# Altium PCB GEM_AFE_128.PcbDoc (part 5 of 18)
Units mm, origin at the board's own origin, x right, y up, seen from the top; angles counter-clockwise.
Board outline 112 x 81.5 mm, 8 copper layers (Top Layer, L1, L2, L3, L4, L5, L6, Bottom Layer), stack 1.52 mm thick; 1880 components, 1258 nets, 6287 pads, 2369 vias.
Unrouted connection lines stored in the file: 4.
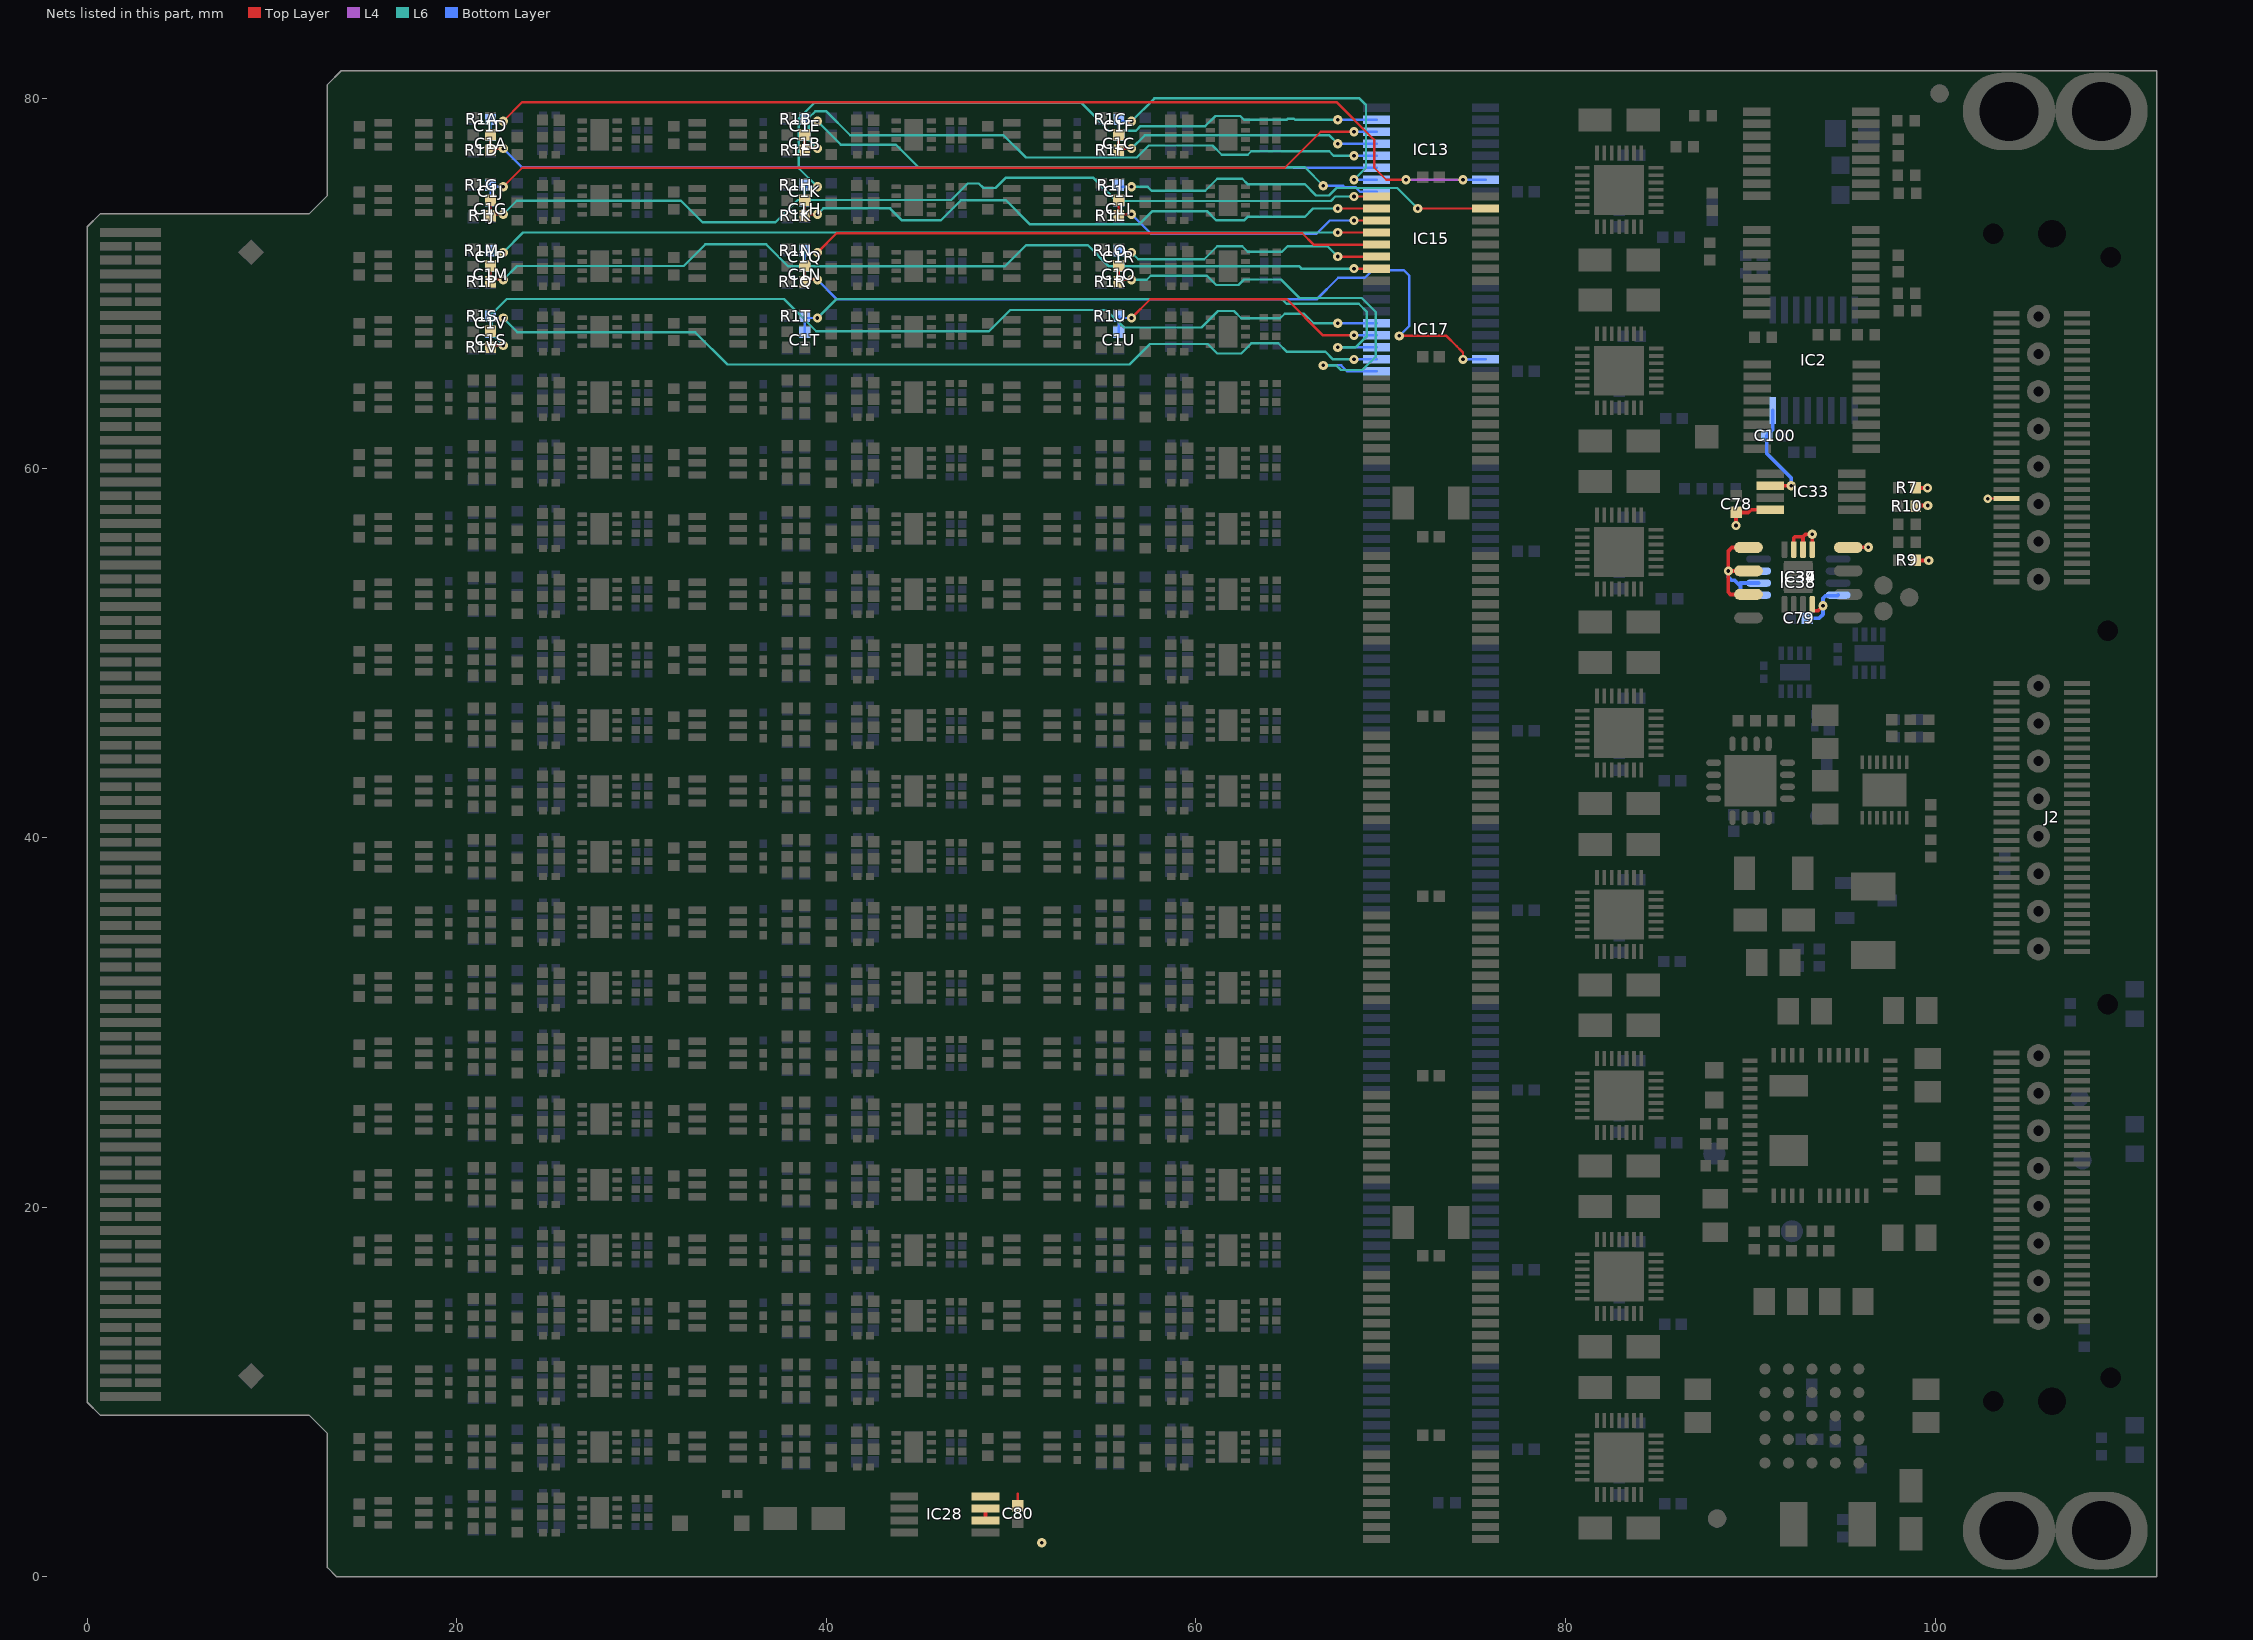
[diagram p11: the nets of this part, all layers, seen from the top]

## Footprints (in the part's own frame and the unit in brackets; to place one, negate y for a bottom-side part, rotate by r counter-clockwise, add the part's x,y. Pads: shape width x height; smd on the part's side, far side on the other; paste and mask are expansions set on the pad) (continued)
MICRO-TCA [mm] "170 Contact Board Edge Connector,  Micro TCA (Telecom Computing Architecture)"
  rect 3.3x0.48 smd paste-3.3: 1(0,-31.5) 7(0,-27) 10(0,-24.75) 13(0,-22.5) 16(0,-20.25) 19(0,-18) 22(0,-15.75) 25(0,-13.5) 28(0,-11.25) 31(0,-9) 34(0,-6.75) 37(0,-4.5) 40(0,-2.25) 43(0,0) 46(0,2.25) 49(0,4.5) 52(0,6.75) 55(0,9) 58(0,11.25) 61(0,13.5) 64(0,15.75) 67(0,18) 70(0,20.25) 73(0,22.5) 76(0,24.75) 79(0,27) 82(0,29.25) 85(0,31.5)
  rect 1.4x0.48 smd paste-1.4: 2(0.95,-30.75) 3(0.95,-30) 4(0.95,-29.25) 5(0.95,-28.5) 6(0.95,-27.75) 8(0.95,-26.25) 9(0.95,-25.5) 11(0.95,-24) 12(0.95,-23.25) 14(0.95,-21.75) 15(0.95,-21) 17(0.95,-19.5) 18(0.95,-18.75) 20(0.95,-17.25) 21(0.95,-16.5) 23(0.95,-15) 24(0.95,-14.25) 26(0.95,-12.75) 27(0.95,-12) 29(0.95,-10.5) 30(0.95,-9.75) 32(0.95,-8.25) 33(0.95,-7.5) 35(0.95,-6) 36(0.95,-5.25) 38(0.95,-3.75) 39(0.95,-3) 41(0.95,-1.5) 42(0.95,-0.75) 44(0.95,0.75) 45(0.95,1.5) 47(0.95,3) 48(0.95,3.75) 50(0.95,5.25) 51(0.95,6) 53(0.95,7.5) 54(0.95,8.25) 56(0.95,9.75) 57(0.95,10.5) 59(0.95,12) 60(0.95,12.75) 62(0.95,14.25) 63(0.95,15) 65(0.95,16.5) 66(0.95,17.25) 68(0.95,18.75) 69(0.95,19.5) 71(0.95,21) 72(0.95,21.75) 74(0.95,23.25) 75(0.95,24) 77(0.95,25.5) 78(0.95,26.25) 80(0.95,27.75) 81(0.95,28.5) 83(0.95,30) 84(0.95,30.75)
  rect 1.7x0.48 smd far side paste-1.7: 3mate(-0.8,-30.75) 3mate(-0.8,-30) 3mate(-0.8,-29.25) 3mate(-0.8,-28.5) 3mate(-0.8,-27.75) 3mate(-0.8,-26.25) 3mate(-0.8,-25.5) 3mate(-0.8,-24) 3mate(-0.8,-23.25) 3mate(-0.8,-21.75) 3mate(-0.8,-21) 3mate(-0.8,-19.5) 3mate(-0.8,-18.75) 3mate(-0.8,-17.25) 3mate(-0.8,-16.5) 3mate(-0.8,-15) 3mate(-0.8,-14.25) 3mate(-0.8,-12.75) 3mate(-0.8,-12) 3mate(-0.8,-10.5) 3mate(-0.8,-9.75) 3mate(-0.8,-8.25) 3mate(-0.8,-7.5) 3mate(-0.8,-6) 3mate(-0.8,-5.25) 3mate(-0.8,-3.75) 3mate(-0.8,-3) 3mate(-0.8,-1.5) 3mate(-0.8,-0.75) 3mate(-0.8,0.75) 3mate(-0.8,1.5) 3mate(-0.8,3) 3mate(-0.8,3.75) 3mate(-0.8,5.25) 3mate(-0.8,6) 3mate(-0.8,7.5) 3mate(-0.8,8.25) 3mate(-0.8,9.75) 3mate(-0.8,10.5) 3mate(-0.8,12) 3mate(-0.8,12.75) 3mate(-0.8,14.25) 3mate(-0.8,15) 3mate(-0.8,16.5) 3mate(-0.8,17.25) 3mate(-0.8,18.75) 3mate(-0.8,19.5) 3mate(-0.8,21) 3mate(-0.8,21.75) 3mate(-0.8,23.25) 3mate(-0.8,24) 3mate(-0.8,25.5) 3mate(-0.8,26.25) 3mate(-0.8,27.75) 3mate(-0.8,28.5) 3mate(-0.8,30) 3mate(-0.8,30.75)
  rect 1.7x0.48 smd paste-1.7: 3mate(-0.8,-30.75) 3mate(-0.8,-30) 3mate(-0.8,-29.25) 3mate(-0.8,-28.5) 3mate(-0.8,-27.75) 3mate(-0.8,-26.25) 3mate(-0.8,-25.5) 3mate(-0.8,-24) 3mate(-0.8,-23.25) 3mate(-0.8,-21.75) 3mate(-0.8,-21) 3mate(-0.8,-19.5) 3mate(-0.8,-18.75) 3mate(-0.8,-17.25) 3mate(-0.8,-16.5) 3mate(-0.8,-15) 3mate(-0.8,-14.25) 3mate(-0.8,-12.75) 3mate(-0.8,-12) 3mate(-0.8,-10.5) 3mate(-0.8,-9.75) 3mate(-0.8,-8.25) 3mate(-0.8,-7.5) 3mate(-0.8,-6) 3mate(-0.8,-5.25) 3mate(-0.8,-3.75) 3mate(-0.8,-3) 3mate(-0.8,-1.5) 3mate(-0.8,-0.75) 3mate(-0.8,0.75) 3mate(-0.8,1.5) 3mate(-0.8,3) 3mate(-0.8,3.75) 3mate(-0.8,5.25) 3mate(-0.8,6) 3mate(-0.8,7.5) 3mate(-0.8,8.25) 3mate(-0.8,9.75) 3mate(-0.8,10.5) 3mate(-0.8,12) 3mate(-0.8,12.75) 3mate(-0.8,14.25) 3mate(-0.8,15) 3mate(-0.8,16.5) 3mate(-0.8,17.25) 3mate(-0.8,18.75) 3mate(-0.8,19.5) 3mate(-0.8,21) 3mate(-0.8,21.75) 3mate(-0.8,23.25) 3mate(-0.8,24) 3mate(-0.8,25.5) 3mate(-0.8,26.25) 3mate(-0.8,27.75) 3mate(-0.8,28.5) 3mate(-0.8,30) 3mate(-0.8,30.75)
  rect 3.3x0.48 smd far side paste-3.3: 86(0,31.5) 89(0,29.25) 92(0,27) 95(0,24.75) 98(0,22.5) 101(0,20.25) 104(0,18) 107(0,15.75) 110(0,13.5) 113(0,11.25) 116(0,9) 119(0,6.75) 122(0,4.5) 125(0,2.25) 128(0,0) 131(0,-2.25) 134(0,-4.5) 137(0,-6.75) 140(0,-9) 143(0,-11.25) 146(0,-13.5) 149(0,-15.75) 152(0,-18) 155(0,-20.25) 158(0,-22.5) 161(0,-24.75) 164(0,-27) 170(0,-31.5)
  rect 1.4x0.48 smd far side paste-1.4: 87(0.95,30.75) 88(0.95,30) 90(0.95,28.5) 91(0.95,27.75) 93(0.95,26.25) 94(0.95,25.5) 96(0.95,24) 97(0.95,23.25) 99(0.95,21.75) 100(0.95,21) 102(0.95,19.5) 103(0.95,18.75) 105(0.95,17.25) 106(0.95,16.5) 108(0.95,15) 109(0.95,14.25) 111(0.95,12.75) 112(0.95,12) 114(0.95,10.5) 115(0.95,9.75) 117(0.95,8.25) 118(0.95,7.5) 120(0.95,6) 121(0.95,5.25) 123(0.95,3.75) 124(0.95,3) 126(0.95,1.5) 127(0.95,0.75) 129(0.95,-0.75) 130(0.95,-1.5) 132(0.95,-3) 133(0.95,-3.75) 135(0.95,-5.25) 136(0.95,-6) 138(0.95,-7.5) 139(0.95,-8.25) 141(0.95,-9.75) 142(0.95,-10.5) 144(0.95,-12) 145(0.95,-12.75) 147(0.95,-14.25) 148(0.95,-15) 150(0.95,-16.5) 151(0.95,-17.25) 153(0.95,-18.75) 154(0.95,-19.5) 156(0.95,-21) 157(0.95,-21.75) 159(0.95,-23.25) 160(0.95,-24) 162(0.95,-25.5) 163(0.95,-26.25) 165(0.95,-27.75) 166(0.95,-28.5) 167(0.95,-29.25) 168(0.95,-30) 169(0.95,-30.75)
  rect 1.4x0.48 on Bottom Solder paste-1.4: 138(0.95,-7.5)
MICROCHIP_H3QFN88-52LD-PL-3 [mm] "MICROCHIP_H3QFN88-52LD-PL-3, 0.50mm Pitch, Square, 52 Pin, 8mm L X 8mm W X 3mm H Body"
  rect 0.8x0.25 smd: 1(-3.8,3.5) 2(-3.8,3) 4(-3.8,2) 5(-3.8,1.5) 6(-3.8,1) 8(-3.8,0) 9(-3.8,-0.5) 10(-3.8,-1) 12(-3.8,-2) 13(-3.8,-2.5) 14(-3.8,-3) 15(-3.8,-3.5) 27(3.8,-3.5) 28(3.8,-3) 29(3.8,-2.5) 30(3.8,-2) 31(3.8,-1.5) 32(3.8,-1) 33(3.8,-0.5) 34(3.8,0) 35(3.8,0.5) 36(3.8,1) 37(3.8,1.5) 38(3.8,2) 39(3.8,2.5) 40(3.8,3) 41(3.8,3.5)
  rect 0.25x0.8 smd: 16(-2.5,-3.8) 17(-2,-3.8) 18(-1.5,-3.8) 19(-1,-3.8) 20(-0.5,-3.8) 21(0,-3.8) 23(1,-3.8) 24(1.5,-3.8) 25(2,-3.8) 26(2.5,-3.8) 42(2.5,3.8) 43(2,3.8) 44(1.5,3.8) 45(1,3.8) 47(0,3.8) 48(-0.5,3.8) 49(-1,3.8) 50(-1.5,3.8) 51(-2,3.8) 52(-2.5,3.8)
  rect 2.1x1.675 smd: 53(1.7,1.363)
  rect 2.1x1.15 smd: 54(1.7,-2.15)
  Top Layer keep-out region: -4.2,-1.625 -4.2,-1.375 -3.15,-1.375 -3.15,0.375 -4.2,0.375 -4.2,0.625 -3.15,0.625 -3.15,2.375 -4.2,2.375 -4.2,2.625 -3.15,2.625 -3.15,3.12 0.15,3.12 0.15,0.025 3.15,0.025 3.15,-1.075 0.15,-1.075 0.15,-3.12 -3.15,-3.12 -3.15,-1.625
  Top Layer keep-out region: 0.375,-4.2 0.625,-4.2 0.625,-3.12 0.375,-3.12
  Top Layer keep-out region: 0.375,3.12 0.625,3.12 0.625,4.2 0.375,4.2
  silkscreen extent -4.55,-4 4,4.52, body extent -4,-4 4,4, height 3
MSOP-8 [mm] "MSOP, 8-Leads, Body 3.1x3.1mm, Pitch 0.65mm, IPC Medium Density"
  oval 1.35x0.4 smd: 1(-2.15,0.975) 2(-2.15,0.325) 3(-2.15,-0.325) 4(-2.15,-0.975) 5(2.15,-0.975) 6(2.15,-0.325) 7(2.15,0.325) 8(2.15,0.975)
  silkscreen extent -2.41,-1.55 1.55,1.78, body extent -2.5,-1.5 2.5,1.5, height 0.95
MTG320_550#1 [mm] "Plated Through Hole: Hole Dia.=3.2mm Pad Dia.=5.5mm"
  oval 4.2x5 hole 3.2: 1(0,0)
MTG320_550#2 [mm] "Plated Through Hole: Hole Dia.=3.2mm Pad Dia.=5.5mm"
  oval 4.2x5 hole 3.2: 1(0,1)
MTG320_550#3 [mm] "Plated Through Hole: Hole Dia.=3.2mm Pad Dia.=5.5mm"
  oval 4.2x5 hole 3.2: 1(0,-1.446)
QFN40P400X400X100-29N-S270 [mm] "QFN, 0.40mm Pitch, Square; 28 Pin, 4.00mm L X 4.00mm W X 0.80mm H Body (w/Thermal Tab 2.7x2.7mm), IPC Medium Density"
  rect 0.8x0.2 smd: 1(-2,1.2) 2(-2,0.8) 3(-2,0.4) 4(-2,0) 5(-2,-0.4) 6(-2,-0.8) 7(-2,-1.2) 15(2,-1.2) 16(2,-0.8) 17(2,-0.4) 18(2,0) 19(2,0.4) 20(2,0.8) 21(2,1.2)
  rect 0.2x0.8 smd: 8(-1.2,-2) 9(-0.8,-2) 10(-0.4,-2) 11(0,-2) 12(0.4,-2) 13(0.8,-2) 14(1.2,-2) 22(1.2,2) 23(0.8,2) 24(0.4,2) 25(0,2) 26(-0.4,2) 27(-0.8,2) 28(-1.2,2)
  rect 2.7x2.7 smd: 29(0,0)
  silkscreen extent -3.12,-2 2,2, body extent -2,-2 2,2, height 1
QFN65P400X400X100-17N-S280 [mm] "QFN, 0.65mm pitch,square; 4 pin X 4 pin, 4mm X 4mm X 1mm H body (w/thermal tab 2.8 X 2.8mm),  IPC Medium Density"
  oval 0.8x0.35 smd: 1(-2,0.975) 2(-2,0.325) 3(-2,-0.325) 4(-2,-0.975) 9(2,-0.975) 10(2,-0.325) 11(2,0.325) 12(2,0.975)
  oval 0.35x0.8 smd: 5(-0.975,-2) 6(-0.325,-2) 7(0.325,-2) 8(0.975,-2) 13(0.975,2) 14(0.325,2) 15(-0.325,2) 16(-0.975,2)
  rect 2.8x2.8 smd: 17(0,0)
  silkscreen extent -3.12,-2 2,2, body extent -2.07,-2.07 2.08,2.08, height 1
RESC0603X28N [mm] "Chip Resistor, EIA 0201, Metric 0603, Body 0.6 x 0.3mm, IPC Medium Density"
  rect 0.46x0.42 smd: 1(-0.33,0) 2(0.33,0)
  body extent -0.32,-0.17 0.33,0.18, height 0.28
RESC1005X40N [mm] "Chip Resistor, EIA 0402, Metric 1005, Body 1.0x0.5mm, IPC Medium Density"
  rect 0.58x0.62 smd: 1(-0.47,0) 2(0.47,0)
  body extent -0.52,-0.27 0.53,0.28, height 0.4
RESC1608X55N [mm] "Chip Resistor, EIA 0603, Metric 1608, Body 1.6x0.8mm, IPC Medium Density"
  rect 0.9x1 smd: 1(-0.8,0) 2(0.8,0)
  body extent -0.87,-0.47 0.88,0.48, height 0.55
SAMTEC_QSH-090-01-F-D-RA [mil] "180 Contacts ((2X30)x3), Pitch 0.5mm, RIGHT-ANGLE Double Row High Speed Ground Plane Socket"
  rect 10.98x55 smd mask+0: 1(1073.05,209.02) 2(1073.05,59.02) 3(1053.37,209.02) 4(1053.37,59.02) 5(1033.68,209.02) 6(1033.68,59.02) 7(1014,209.02) 8(1014,59.02) 9(994.31,209.02) 10(994.31,59.02) 11(974.63,209.02) 12(974.63,59.02) 13(954.94,209.02) 14(954.94,59.02) 15(935.26,209.02) 16(935.26,59.02) 17(915.57,209.02) 18(915.57,59.02) 19(895.89,209.02) 20(895.89,59.02) 21(876.2,209.02) 22(876.2,59.02) 23(856.52,209.02) 24(856.52,59.02) 25(836.83,209.02) 26(836.83,59.02) 27(817.15,209.02) 28(817.15,59.02) 29(797.46,209.02) 30(797.46,59.02) 31(777.78,209.02) 32(777.78,59.02) 33(758.09,209.02) 34(758.09,59.02) 35(738.41,209.02) 36(738.41,59.02) 37(718.72,209.02) 38(718.72,59.02) 39(699.04,209.02) 40(699.04,59.02) 41(679.35,209.02) 42(679.35,59.02) 43(659.67,209.02) 44(659.67,59.02) 45(639.98,209.02) 46(639.98,59.02) 47(620.3,209.02) 48(620.3,59.02) 49(600.61,209.02) 50(600.61,59.02) 51(580.93,209.02) 52(580.93,59.02) 53(561.24,209.02) 54(561.24,59.02) 55(541.56,209.02) 56(541.55,59.02) 57(521.87,209.02) 58(521.87,59.02) 59(502.19,209.02) 60(502.18,59.02) 61(285.53,209.02) 62(285.53,59.02) 63(265.85,209.02) 64(265.85,59.02) 65(246.16,209.02) 66(246.16,59.02) 67(226.48,209.02) 68(226.48,59.02) 69(206.79,209.02) 70(206.79,59.02) 71(187.11,209.02) 72(187.11,59.02) 73(167.42,209.02) 74(167.42,59.02) 75(147.74,209.02) 76(147.74,59.02) 77(128.05,209.02) 78(128.05,59.02) 79(108.37,209.02) 80(108.37,59.02) 81(88.68,209.02) 82(88.68,59.02) 83(69,209.02) 84(69,59.02) 85(49.31,209.02) 86(49.31,59.02) 87(29.63,209.02) 88(29.63,59.02) 89(9.94,209.02) 90(9.94,59.02) 91(-9.74,209.02) 92(-9.74,59.02) 93(-29.43,209.02) 94(-29.43,59.02) 95(-49.11,209.02) 96(-49.11,59.02) 97(-68.8,209.02) 98(-68.8,59.02) 99(-88.48,209.02) 100(-88.48,59.02) 101(-108.17,209.02) 102(-108.17,59.02) 103(-127.85,209.02) 104(-127.85,59.02) 105(-147.54,209.02) 106(-147.54,59.02) 107(-167.22,209.02) 108(-167.22,59.02) 109(-186.91,209.02) 110(-186.91,59.02) 111(-206.59,209.02) 112(-206.59,59.02) 113(-226.28,209.02) 114(-226.28,59.02) 115(-245.96,209.02) 116(-245.96,59.02) 117(-265.65,209.02) 118(-265.65,59.02) 119(-285.33,209.02) 120(-285.34,59.02) 121(-501.99,209.02) 122(-501.99,59.02) 123(-521.67,209.02) 124(-521.67,59.02) 125(-541.36,209.02) 126(-541.36,59.02) 127(-561.04,209.02) 128(-561.04,59.02) 129(-580.73,209.02) 130(-580.73,59.02) 131(-600.41,209.02) 132(-600.41,59.02) 133(-620.1,209.02) 134(-620.1,59.02) 135(-639.78,209.02) 136(-639.78,59.02) 137(-659.47,209.02) 138(-659.47,59.02) 139(-679.15,209.02) 140(-679.15,59.02) 141(-698.84,209.02) 142(-698.84,59.02) 143(-718.52,209.02) 144(-718.52,59.02) 145(-738.21,209.02) 146(-738.21,59.02) 147(-757.89,209.02) 148(-757.89,59.02) 149(-777.58,209.02) 150(-777.58,59.02) 151(-797.26,209.02) 152(-797.26,59.02) 153(-816.95,209.02) 154(-816.95,59.02) 155(-836.63,209.02) 156(-836.63,59.02) 157(-856.32,209.02) 158(-856.32,59.02) 159(-876,209.02) 160(-876,59.02) 161(-895.69,209.02) 162(-895.69,59.02) 163(-915.37,209.02) 164(-915.37,59.02) 165(-935.06,209.02) 166(-935.06,59.02) 167(-954.74,209.02) 168(-954.74,59.02) 169(-974.43,209.02) 170(-974.43,59.02) 171(-994.11,209.02) 172(-994.11,59.02) 173(-1013.8,209.02) 174(-1013.8,59.02) 175(-1033.48,209.02) 176(-1033.48,59.02) 177(-1053.17,209.02) 178(-1053.17,59.02) 179(-1072.85,209.02) 180(-1072.85,59.02)
  round 49.21 hole 21.65: 181(1067.54,141.02) 182(987.54,141.02) 183(907.54,141.02) 184(827.54,141.02) 185(747.54,141.02) 186(667.54,141.02) 187(587.54,141.02) 188(507.54,141.02) 189(280.02,141.02) 190(200.02,141.02) 191(120.02,141.02) 192(40.02,141.02) 193(-39.98,141.02) 194(-119.98,141.02) 195(-199.98,141.02) 196(-279.98,141.02) 197(-507.5,141.02) 198(-587.5,141.02) 199(-667.5,141.02) 200(-747.5,141.02) 201(-827.5,141.02) 202(-907.5,141.02) 203(-987.5,141.02) 204(-1067.5,141.02)
  round 19.68 hole 43.31 unplated mask+11.81: 205(1193.76,-12.99) 206(1243.76,237.01) 207(397.92,-6.5) 208(-397.92,-6.5) 209(-1193.76,-12.99) 210(-1243.76,237.01)
  round 19.68 hole 59.06 unplated mask+19.68: 211(1243.76,112.01) 212(-1243.76,112.01)
  silkscreen extent -1294,-213 1294,322, body extent -1294,-213 1294,322, height 348
SOD123 [mm] "SOD, 2-Lead, Body 2.55x1.40mm, IPC Medium Density"
  rect 0.85x0.85 smd: 1(-1.675,0) 2(1.675,0)
  silkscreen extent -1,-0.7 0.95,0.7, body extent -1.95,-0.9 1.95,0.9, height 1.28
SOIC8_N [mm] "SOIC, 8-Leads, Body 4.90x3.90mm, Pitch 1.27mm, IPC Medium Density"
  oval 1.55x0.6 smd: 1(-2.7,1.905) 2(-2.7,0.635) 3(-2.7,-0.635) 4(-2.7,-1.905) 5(2.7,-1.905) 6(2.7,-0.635) 7(2.7,0.635) 8(2.7,1.905)
  silkscreen extent -3.35,-2.5 1.78,2.94, body extent -3,-2.45 3,2.45, height 1.75
SON40P300X300X80-15N-R180X240 [mm] "SON, 0.40mm Pitch; 14 Pin, 3.00mm W X 3.00mm L X 0.80mm H Body (w/Thermal Tab1.8mm x 2.4mm)"
  rect 0.75x0.2 smd: 1(-1.5,1.2) 2(-1.5,0.8) 3(-1.5,0.4) 4(-1.5,0) 5(-1.5,-0.4) 6(-1.5,-0.8) 7(-1.5,-1.2) 8(1.5,-1.2) 9(1.5,-0.8) 10(1.5,-0.4) 11(1.5,0) 12(1.5,0.4) 13(1.5,0.8) 14(1.5,1.2)
  rect 1.8x2.4 smd: 15(0,0)
  silkscreen extent -2.47,1.07 -2.23,1.32, body extent -1.5,-1.5 1.5,1.5, height 0.8
SON50P300X200X100-9N-R175X155 [mm] "SON (DFN), 0.50mm pitch, 8 pin, 2mm X 3mm X 1.00mm H body (w/thermal tab 1.75 X 1.55mm),  IPC Medium Density"
  rect 0.85x0.3 smd: 1(-1.5,0.75) 2(-1.5,0.25) 3(-1.5,-0.25) 4(-1.5,-0.75) 5(1.5,-0.75) 6(1.5,-0.25) 7(1.5,0.25) 8(1.5,0.75)
  rect 1.75x1.55 smd: 9(0,0)
  silkscreen extent -2.7,1.19 -2.45,1.44, body extent -1.5,-1 1.5,1, height 1.02
SOP65P490X109-8N [mm] "SOP, 0.65mm pitch; 8 pin,3.00mm W X 3.00mm L X 1.09mm H bodyI, PC Medium Density"
  rect 1.5x0.45 smd: 1(-2.2,0.975) 2(-2.2,0.325) 3(-2.2,-0.325) 4(-2.2,-0.975) 5(2.2,-0.975) 6(2.2,-0.325) 7(2.2,0.325) 8(2.2,0.975)
  silkscreen extent -2.82,-1.5 1.13,1.82, body extent -2.45,-1.55 2.45,1.55, height 1.09
SOP65P640X110-16N [mm] "SOP, 0.65mm pitch; 16 pin, 4.40mm W X 5.00mm L X 1.10mm H body IPC Medium Density"
  rect 1.5x0.45 smd: 1(-2.95,2.275) 2(-2.95,1.625) 3(-2.95,0.975) 4(-2.95,0.325) 5(-2.95,-0.325) 6(-2.95,-0.975) 7(-2.95,-1.625) 8(-2.95,-2.275) 9(2.95,-2.275) 10(2.95,-1.625) 11(2.95,-0.975) 12(2.95,-0.325) 13(2.95,0.325) 14(2.95,0.975) 15(2.95,1.625) 16(2.95,2.275)
  silkscreen extent -3.58,-2.5 1.87,3.12, body extent -3.12,-2.55 3.12,2.55, height 1.1
SOP65P640X120-16N [mm] "SOP, 0.65mm pitch; 16 pin, 4.40mm W X 5.00mm L X 1.20mm H body IPC Medium Density"
  rect 1.45x0.45 smd: 1(-2.95,2.275) 2(-2.95,1.625) 3(-2.95,0.975) 4(-2.95,0.325) 5(-2.95,-0.325) 6(-2.95,-0.975) 7(-2.95,-1.625) 8(-2.95,-2.275) 9(2.95,-2.275) 10(2.95,-1.625) 11(2.95,-0.975) 12(2.95,-0.325) 13(2.95,0.325) 14(2.95,0.975) 15(2.95,1.625) 16(2.95,2.275)
  silkscreen extent -3.07,-2.55 1.85,3.17, body extent -3.12,-2.55 3.12,2.55, height 1.2
SOT65P210X110-6N [mm] "SOT363, SC70-6, SOT, 0.65mm Pitch, 6 Pin, 1.25mm W X 2.00mm L X 1.10mm H, IPC Medium Density"
  rect 0.95x0.4 smd: 1(-1.1,0.65) 2(-1.1,0) 3(-1.1,-0.65) 4(1.1,-0.65) 5(1.1,0) 6(1.1,0.65)
  silkscreen extent -1.42,-1 0.3,1.47, body extent -1.2,-1.1 1.2,1.1, height 1.1
SOT95P240X110-3N [mm] "SOT23 3-Leads, Pitch 0.95mm, Body 1.3x2.9mm, IPC Medium Density"
  rect 1.05x0.65 smd: 1(-1.15,0.95) 2(-1.15,-0.95) 3(1.15,0)
  silkscreen extent -1.52,-1.45 0.3,1.92, body extent -1.25,-1.5 1.25,1.5, height 1.1
TDFN8_2X3MM+EP_N [mm] "DFN, 8-Leads, Body 2,00x3,00mm, Pitch 0,50mm, Thermal Pad 1.4x1.3mm, IPC Medium Density"
  rect 0.25x0.85 smd: 1(-0.75,-1.45) 2(-0.25,-1.45) 3(0.25,-1.45) 4(0.75,-1.45) 5(0.75,1.45) 6(0.25,1.45) 7(-0.25,1.45) 8(-0.75,1.45)
  rect 1.6x1.5 smd: 9(0,0)
  silkscreen extent -1.43,-2.69 1.2,1.5, body extent -1,-1.52 1,1.52, height 0.9
TEXAS_DSG0008A [mm] "TEXAS Case Style DSG(WSON-N8), SON, 0.50mm Pitch, 8 Pin, 3.00mm X 3.00mm X 0.80mm H body (w/Thermal Tab 1.00 X 1.70mm)"
  rect 0.5x0.25 smd: 1(-0.95,0.75) 2(-0.95,0.25) 3(-0.95,-0.25) 4(-0.95,-0.75) 5(0.95,-0.75) 6(0.95,-0.25) 7(0.95,0.25) 8(0.95,0.75)
  rect 1x1.7 smd: 9(0,0)
  silkscreen extent -1.05,1.2 -0.85,1.4, body extent -1.05,-1.05 1.05,1.05, height 0.8
TP [mm]
  round 1.2 smd: 1(0,0)
TPS127 [mm] "1.27 x  1.27mm SMD Test Point Area"
  rect 1.27x1.27 smd paste-1.27: 1(0,0)
  silkscreen extent -0.93,-0.94 0.94,0.94

## Part data
B1 B2 B3 B4: library part SMD_PAD_D1MM, "Through Hole Pad", Author="CERN DEM JLC", Component Type="Standard (No BOM)", ComponentHeight=0mm, CreateDate=10.10.2017, Family="SMD Pad", HelpURL=Undefined, LatestRevisionDate=10.10.2017, Mounted=No, PackageDescription="1mm Diameter SMD Pad", Part Description="1mm Diameter SMD Pad", Part Number=SMD_PAD_D1MM, Pin Count=1, Sense=No, SMD=No, Socket=No, Status=None
B5 B6 B7 B8: library part PLATED_HOLE3.2_PAD5.5, "Single Terminal Socket", Author="CERN DEM JMW", Component Type="Standard (No BOM)", ComponentHeight=0mm, CreateDate=01.10.2012, Family="Plated Hole", HelpURL=Undefined, LatestRevisionDate=01.10.2012, Mounted=No, PackageDescription="Plated Through Hole: Hole Dia.=3.2mm Pad Dia.=5.5mm", Part Description="Plated Through Hole: Hole Dia.=3.2mm Pad Dia.=5.5mm", Part Number=PLATED_HOLE3.2_PAD5.5, Pin Count=1, Sense=No, SMD=No, Socket=No, Status=None
C1A C1AA C1AB C1AC C1AD C1AE C1AF C1AG C1AH C1AI C1AJ C1AK C1AL C1AM C1AN C1AO C1AP C1AQ C1AR C1AS C1AT C1AU C1AV C1AW C1AX C1AY C1AZ C1B C1BA C1BB C1BC C1BD C1BE C1BF C1BG C1BH C1BI C1BJ C1BK C1BL C1BM C1BN C1BO C1BP C1BQ C1BR C1BS C1BT C1BU C1BV C1BW C1BX C1BY C1BZ C1C C1CA C1CB C1CC C1CD C1CE C1CF C1CG C1CH C1CI C1CJ C1CK C1CL C1CM C1CN C1CO C1CP C1CQ C1CR C1CS C1CT C1CU C1CV C1CW C1CX C1CY C1CZ C1D C1DA C1DB C1DC C1DD C1DE C1DF C1DG C1DH C1DI C1DJ C1DK C1DL C1DM C1DN C1DO C1DP C1DQ C1DR C1DS C1DT C1DU C1DV C1DW C1DX C1E C1F C1G C1H C1I C1J C1K C1L C1M C1N C1O C1P C1Q C1R C1S C1T C1U C1V C1W C1X C1Y C1Z: library part CC0402_3.3PF_50V_0.25PF_C0G, "Non-polarised capacitor", Case=0402, Manufacturer=GENERIC, Manufacturer1 ComponentHeight=0.55mm, Manufacturer1 Example=KEMET, Manufacturer1 Part Number=C0402C339C5GACTU, Tolerance=±0.25pF, Voltage=50V, Author="CERN DEM JLC", Component Type=Standard, CreateDate=03.12.2007, HelpURL="\\cern.ch\dfs\Applications\Altium\Datasheets\CC0402_C0G_KEMET_(Commercial Grade).pdf", LatestRevisionDate=22.04.2015, Manufacturer Part Number=CC0402_3.3PF_50V_0.25PF_C0G, Mounted=Yes, Part Description="SMD Multilayer Chip Ceramic Capacitor", Part Number=CC0402_3.3PF_50V_0.25PF_C0G, Pin Count=2, Sense=No, SMD=Yes, Socket=No, Status=Preferred, TC=C0G/NP0
C2A C2AA C2AB C2AC C2AD C2AE C2AF C2AG C2AH C2AI C2AJ C2AK C2AL C2AM C2AN C2AO C2AP C2AQ C2AR C2AS C2AT C2AU C2AV C2AW C2AX C2AY C2AZ C2B C2BA C2BB C2BC C2BD C2BE C2BF C2BG C2BH C2BI C2BJ C2BK C2BL C2BM C2BN C2BO C2BP C2BQ C2BR C2BS C2BT C2BU C2BV C2BW C2BX C2BY C2BZ C2C C2CA C2CB C2CC C2CD C2CE C2CF C2CG C2CH C2CI C2CJ C2CK C2CL C2CM C2CN C2CO C2CP C2CQ C2CR C2CS C2CT C2CU C2CV C2CW C2CX C2CY C2CZ C2D C2DA C2DB C2DC C2DD C2DE C2DF C2DG C2DH C2DI C2DJ C2DK C2DL C2DM C2DN C2DO C2DP C2DQ C2DR C2DS C2DT C2DU C2DV C2DW C2DX C2E C2F C2G C2H C2I C2J C2K C2L C2M C2N C2O C2P C2Q C2R C2S C2T C2U C2V C2W C2X C2Y C2Z: library part CC0402_1PF_50V_0.25PF_C0G, "Non-polarised capacitor", Case=0402, Manufacturer=GENERIC, Manufacturer1 ComponentHeight=0.55mm, Manufacturer1 Example=KEMET, Manufacturer1 Part Number=C0402C109C5GACTU, Tolerance=±0.25pF, Voltage=50V, Author="CERN DEM JLC", Component Type=Standard, CreateDate=03.12.2007, HelpURL="\\cern.ch\dfs\Applications\Altium\Datasheets\CC0402_C0G_KEMET_(Commercial Grade).pdf", LatestRevisionDate=22.04.2015, Manufacturer Part Number=CC0402_1PF_50V_0.25PF_C0G, Mounted=Yes, Part Description="SMD Multilayer Chip Ceramic Capacitor", Part Number=CC0402_1PF_50V_0.25PF_C0G, Pin Count=2, Sense=No, SMD=Yes, Socket=No, Status=Preferred, TC=C0G/NP0
C3A C3AA C3AB C3AC C3AD C3AE C3AF C3AG C3AH C3AI C3AJ C3AK C3AL C3AM C3AN C3AO C3AP C3AQ C3AR C3AS C3AT C3AU C3AV C3AW C3AX C3AY C3AZ C3B C3BA C3BB C3BC C3BD C3BE C3BF C3BG C3BH C3BI C3BJ C3BK C3BL C3BM C3BN C3BO C3BP C3BQ C3BR C3BS C3BT C3BU C3BV C3BW C3BX C3BY C3BZ C3C C3CA C3CB C3CC C3CD C3CE C3CF C3CG C3CH C3CI C3CJ C3CK C3CL C3CM C3CN C3CO C3CP C3CQ C3CR C3CS C3CT C3CU C3CV C3CW C3CX C3CY C3CZ C3D C3DA C3DB C3DC C3DD C3DE C3DF C3DG C3DH C3DI C3DJ C3DK C3DL C3DM C3DN C3DO C3DP C3DQ C3DR C3DS C3DT C3DU C3DV C3DW C3DX C3E C3F C3G C3H C3I C3J C3K C3L C3M C3N C3O C3P C3Q C3R C3S C3T C3U C3V C3W C3X C3Y C3Z C4A C4AA C4AB C4AC C4AD C4AE C4AF C4AG C4AH C4AI C4AJ C4AK C4AL C4AM C4AN C4AO C4AP C4AQ C4AR C4AS C4AT C4AU C4AV C4AW C4AX C4AY C4AZ C4B C4BA C4BB C4BC C4BD C4BE C4BF C4BG C4BH C4BI C4BJ C4BK C4BL C4BM C4BN C4BO C4BP C4BQ C4BR C4BS C4BT C4BU C4BV C4BW C4BX C4BY C4BZ C4C C4CA C4CB C4CC C4CD C4CE C4CF C4CG C4CH C4CI C4CJ C4CK C4CL C4CM C4CN C4CO C4CP C4CQ C4CR C4CS C4CT C4CU C4CV C4CW C4CX C4CY C4CZ C4D C4DA C4DB C4DC C4DD C4DE C4DF C4DG C4DH C4DI C4DJ C4DK C4DL C4DM C4DN C4DO C4DP C4DQ C4DR C4DS C4DT C4DU C4DV C4DW C4DX C4E C4F C4G C4H C4I C4J C4K C4L C4M C4N C4O C4P C4Q C4R C4S C4T C4U C4V C4W C4X C4Y C4Z C6A C6AA C6AB C6AC C6AD C6AE C6AF C6AG C6AH C6AI C6AJ C6AK C6AL C6AM C6AN C6AO C6AP C6AQ C6AR C6AS C6AT C6AU C6AV C6AW C6AX C6AY C6AZ C6B C6BA C6BB C6BC C6BD C6BE C6BF C6BG C6BH C6BI C6BJ C6BK C6BL C6BM C6BN C6BO C6BP C6BQ C6BR C6BS C6BT C6BU C6BV C6BW C6BX C6BY C6BZ C6C C6CA C6CB C6CC C6CD C6CE C6CF C6CG C6CH C6CI C6CJ C6CK C6CL C6CM C6CN C6CO C6CP C6CQ C6CR C6CS C6CT C6CU C6CV C6CW C6CX C6CY C6CZ C6D C6DA C6DB C6DC C6DD C6DE C6DF C6DG C6DH C6DI C6DJ C6DK C6DL C6DM C6DN C6DO C6DP C6DQ C6DR C6DS C6DT C6DU C6DV C6DW C6DX C6E C6F C6G C6H C6I C6J C6K C6L C6M C6N C6O C6P C6Q C6R C6S C6T C6U C6V C6W C6X C6Y C6Z C7 C98 C99: library part CC0201_100NF_6.3V_10%_X5R, "Non-polarised capacitor", Case=0201, Manufacturer=GENERIC, Manufacturer1 ComponentHeight=0.33mm, Manufacturer1 Example=AVX, Manufacturer1 Part Number=02016D104KAT2A, Tolerance=±10%, Voltage=6.3V, Author="CERN DEM JLC", Component Type=Standard, CreateDate=03.12.2007, HelpURL=\\cern.ch\dfs\Applications\Altium\Datasheets\CC0201_X5R_AVX.pdf, LatestRevisionDate=03.12.2007, Manufacturer Part Number=CC0201_100NF_6.3V_10%_X5R, Mounted=Yes, Part Description="SMD Multilayer Chip Ceramic Capacitor", Part Number=CC0201_100NF_6.3V_10%_X5R, Pin Count=2, Sense=No, SMD=Yes, Socket=No, Status="Not Recommended", TC=X5R